# KiCad board Skinny Chameleon.kicad_pcb (continued)
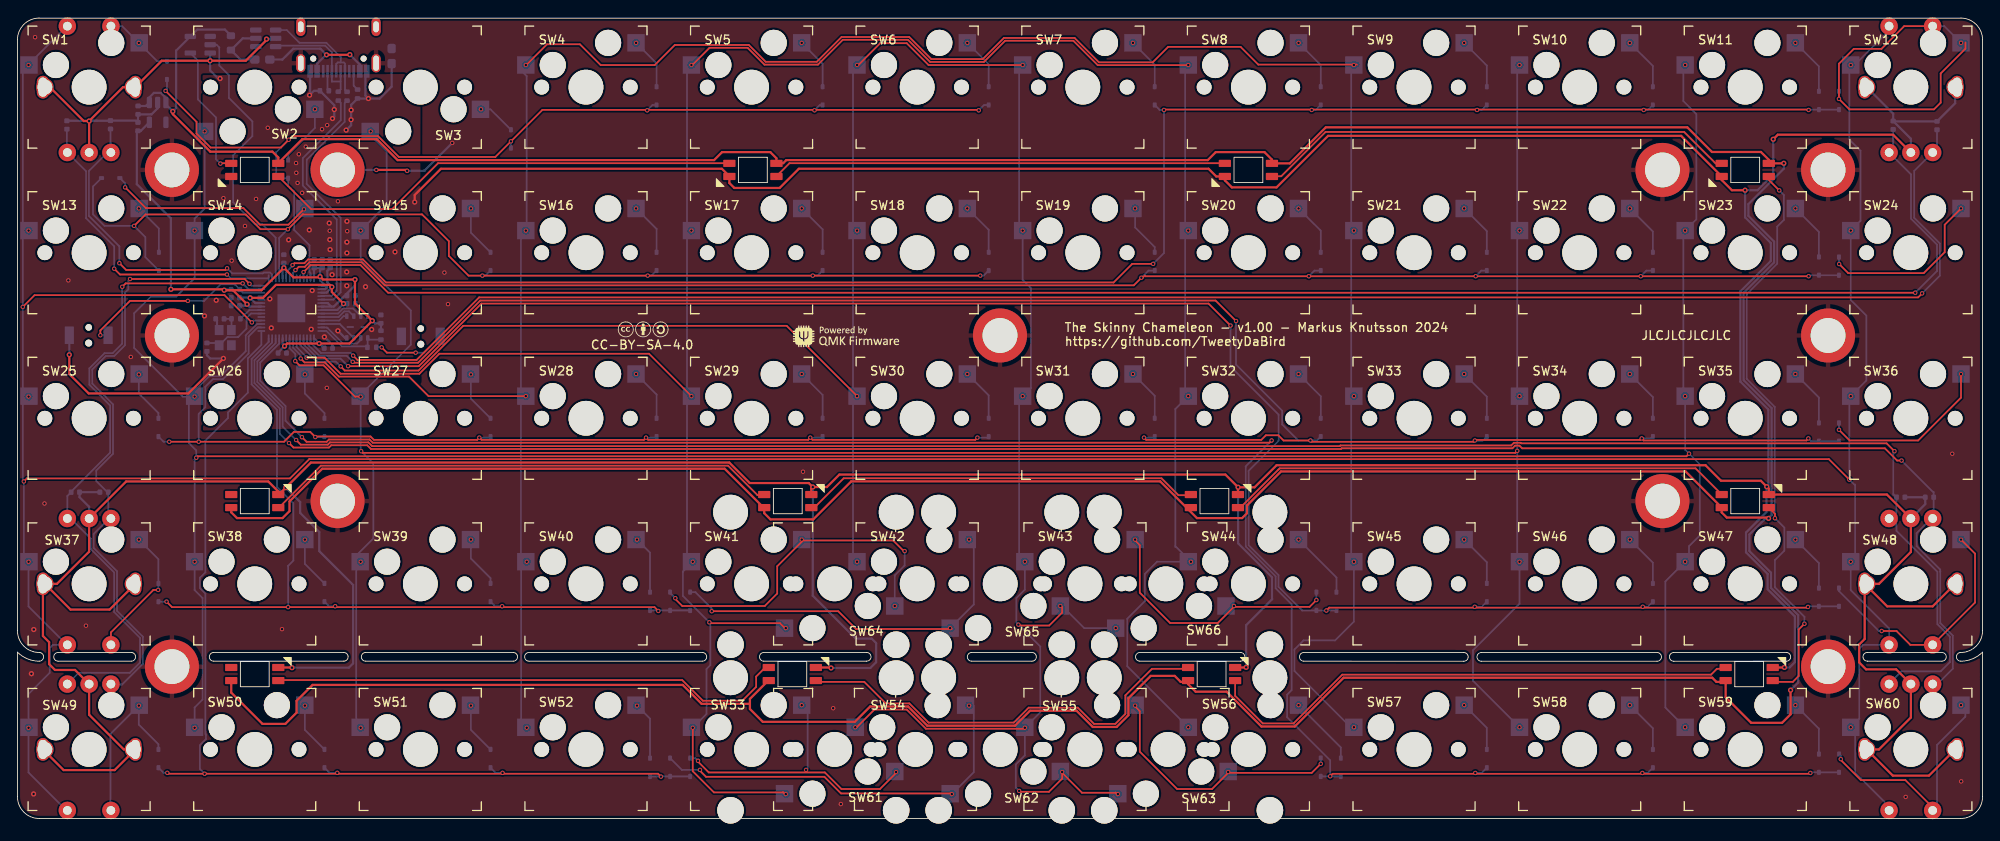
[diagram p0: board, top side]
## Nets (continued)
Net-(D35-A): D35.2 SW35.2
Net-(D36-A): D36.2 SW36.2
Net-(D38-A): D38.2 SW38.2
Net-(D39-A): D39.2 SW39.2
Net-(D40-A): D40.2 SW40.2
Net-(D41-A): D41.2 SW41.2 SW64.1
Net-(D42-A): D42.2 SW42.2 SW65.2
Net-(D43-A): D43.2 SW43.2 SW66.1
Net-(D44-A): D44.2 SW44.2
Net-(D45-A): D45.2 SW45.2
Net-(D46-A): D46.2 SW46.2
Net-(D47-A): D47.2 SW47.2
Net-(D50-A): D50.2 SW50.2
Net-(D51-A): D51.2 SW51.2
Net-(D52-A): D52.2 SW52.2
Net-(D53-A): D53.2 SW53.2 SW61.1
Net-(D54-A): D54.2 SW54.2 SW62.2
Net-(D55-A): D55.2 SW55.2 SW63.1
Net-(D56-A): D56.2 SW56.2
Net-(D57-A): D57.2 SW57.2
Net-(D58-A): D58.2 SW58.2
Net-(D59-A): D59.2 SW59.2
Net-(FB1-Pad1): FB1.1 USB1.A4 USB1.A9 USB1.B4 USB1.B9
Net-(R4-Pad2): R4.2 SW68.2
Net-(RGB1-DIN): RGB1.4 U4.4
Net-(RGB1-DOUT): RGB1.2 RGB2.4
Net-(RGB2-DOUT): RGB2.2 RGB3.4
Net-(RGB3-DOUT): RGB3.2 RGB4.4
Net-(RGB4-DOUT): RGB4.2 RGB5.4 RGB9.4
Net-(RGB5-DOUT): RGB5.2 RGB6.4
Net-(RGB6-DOUT): RGB6.2 RGB7.4
Net-(RGB7-DOUT): RGB7.2 RGB8.4
Net-(RGB10-DIN): RGB9.2 RGB10.4
Net-(RGB10-DOUT): RGB10.2 RGB11.4
Net-(RGB11-DOUT): RGB11.2 RGB12.4
Net-(U2-CLK): U2.6 U3.52
Net-(U2-DI(IO0)): U2.5 U3.53
Net-(U2-DO(IO1)): U2.2 U3.55
Net-(U2-IO2): U2.3 U3.54
Net-(U2-IO3): U2.7 U3.51
Net-(U2-~{CS}): R4.1 R7.2 U2.1 U3.56
Net-(U3-RUN): R3.2 SW67.2 U3.26
Net-(U3-XIN): C14.1 U3.20 Y1.1
Net-(U3-XOUT): R10.1 U3.21
Net-(USB1-CC1): R1.2 USB1.A5
Net-(USB1-CC2): R2.1 USB1.B5

Pads without a net: RGB8 2; RGB12 2; U1 4; U2 9; U3 9 24 25 35 37 38 40; U4 1; U5 4 6; USB1 A8 B8 S2

## Via types
v1: diameter 0.5, hole 0.3, Top to Bottom, 281 vias
v2: diameter 0.6, hole 0.3, Top to Bottom, 67 vias

## Routing (per net, layer and track width the routed paths; a pad name or vN(x,y) marks a point on that pad's centre or on a via; arc(x,y) is an arc through that point)
+1V1: length 22.6
  Top w0.254: v2(37.41,59.08) 36.07,60.42 v2(36.07,61) 35.83,61.24 29.66,61.24 28.16,59.75 v2(26.69,59.75)
  Bottom w0.254: C10.1 v2(37.41,59.08) 36.7,58.36 34.88,58.36 ; U3.23 27.29,59.15 v2(26.69,59.75) 26.67,59.77 C8.1 ; U3.45 35.47,60.35 36.07,60.94 v2(36.07,61) 35.55,61.52 35.55,62.85 C9.1
+3V3: length 89.4
  Top w0.254: v2(26.34,59.01) 24.73,60.62 v2(23.72,60.62) ; v2(17.61,60.73) 23.62,60.73 v2(23.72,60.62) ; v2(23.72,60.62) 27.99,60.62 v2(30.56,63.2) 31.67,62.1 34.62,62.1 v2(34.72,62.19) 35.05,61.85 38.72,61.85 v2(38.73,61.85) 38.73,59.11 v2(40.71,57.12) 38.1,54.51 v2(34.62,54.51) 30.95,54.51 v2(30.64,54.21)
  Bottom w0.254: v2(23.72,60.62) 23.79,60.7 R3.1 ; U3.22 26.61,58.75 v2(26.34,59.01) 26.19,58.85 C6.1 ; C3.1 v2(30.56,63.2) 30.42,63.05 U3.33 ; v2(17.61,60.73) 17.61,68.88 13.7,72.79 13.7,78.79 C12.1 14.16,78.92 U1.5 ; 34.02,63.03 34.18,63.19 C1.1 34.72,62.94 v2(34.72,62.19) 34.72,61.77 35.52,60.97 ; 34.02,63.03 U3.42 ; 34.02,63.03 34.05,63.05 C7.1 ; U2.8 v2(40.71,57.12) 41,56.83 C13.1 41.7,56.82 R7.1 ; U3.44 35.3,60.75 35.52,60.97 ; v2(38.73,61.85) 38.73,61.17 36.3,58.75 U3.49 ; U3.43 35.34,61.15 35.52,60.97 ; 35.14,54 v2(34.62,54.51) U3.1 ; U3.10 30.42,54.43 v2(30.64,54.21) 29.91,53.47 C2.1 ; U3.48 35.59,59.15 36,58.75
+5V: length 686.7
  Top w0.254: 84.03,13.16 78.5,13.16 76.33,15.33 33.86,15.33 32.03,13.5 32.03,12.15 30.73,10.86 28.12,10.86 24.52,14.45 24.52,15.68 ; 84.03,13.16 84.03,12.57 85.51,11.09 96.07,11.09 97.83,12.85 102.18,12.85 104.38,10.65 114.45,10.65 116.17,12.37 121.51,12.37 123.37,10.5 126.1,10.5 127.46,11.86 127.46,13.8 130.02,16.36 132.77,16.36 133.45,15.68 134.3,15.68 134.3,15.42 135.17,14.55 138.73,14.55 142.72,10.56 146.55,10.56 152.14,16.15 194.44,16.15 194.92,15.68 195.98,15.68 195.98,13.91 198.9,10.98 202.45,10.98 203.43,11.96 203.43,14.62 ; 84.03,13.16 84.03,13.73 85.98,15.68 86.2,15.68 ; v2(200.9,34.43) 200.8,34.54 196.11,34.54 195.52,35.12 RGB5.1 191.37,39.83 144.97,39.83 141.06,35.93 141.06,35.04 140.5,34.47 135.32,34.47 131.11,38.69 95.66,38.69 91.3,34.33 86.39,34.33 85.67,35.04 85.67,35.6 81.14,40.14 34.97,40.14 31.22,36.39 31.22,35.28 30.41,34.47 25.19,34.47 24.52,35.14 24.52,35.6 ; v2(202.64,75.19) 202.63,75.18 RGB4.1 200.93,75.59 200.02,76.49 194.41,76.49 191.57,79.32 150.11,79.32 145.96,75.18 RGB3.1 143.93,75.61 143.06,76.47 137.48,76.47 136.56,75.55 88.2,75.55 87.85,75.2 87.08,75.2 87.08,75.77 86.37,76.47 80.84,76.47 79.92,75.55 43.62,75.55 41.22,77.96 32.68,77.96 29.93,75.2 29.93,75.86 29.26,76.52 22.13,76.52 17.83,80.82 v2(17.83,81.15)
  Bottom w0.254: v2(203.43,14.72) 204.3,15.59 204.3,23.34 201.18,26.46 201.18,28.22 198.69,30.7 198.69,32.59 200.54,34.43 v2(200.9,34.43) 200.9,34.46 201.25,34.82 201.25,47.09 198.04,50.3 198.04,60.32 201.54,63.82 201.54,66.19 198.59,69.14 198.59,70.51 202.64,74.57 v2(202.64,75.19) ; C11.1 14.74,81.77 U1.1 15.14,82.75 15.66,83.27 16.45,83.27 17.04,82.68 U1.3 17.04,81.94 v2(17.83,81.15) 18.2,81.53 18.2,88.11 U4.5 20.63,90.54 23.79,90.54 F1.2
GND: length 823.9
  Top w0.254: RGB9.3 202.7,17.33 v2(202.71,17.34) ; ENC1.MP1 3.72,83.93 7.61,80.03 v2(8.23,80.03) ; ENC1.C v2(8.23,80.03) ; v2(8.23,80.03) 12.12,83.93 SW1.3 ; v2(91.25,38.04) 91.08,37.87 91.08,37.1 91.08,37.35 ; v2(91.25,38.04) 92.86,38.04 94.3,39.47 138.59,39.47 v2(140.05,38.01) ; v2(91.25,38.04) 90.78,38.5 84.02,38.5 81.67,40.84 33.67,40.84 v2(30.79,37.96) 29.93,37.1 29.93,37.53 28.77,38.68 12.48,38.68 ENC3.C 8.23,30.62 4.53,26.93 SW37.3 6.09,23.98 10.58,23.98 ENC3.MP1 ; 140.02,37.1 140.02,37.98 v2(140.05,38.01) ; v2(31.5,17.31) 31.48,17.33 RGB12.3 ; v2(5.95,53.22) 5.95,51 8.18,48.78 19.62,48.78 v2(23.64,52.8) ; SW48.3 219.72,24.34 214.51,24.34 ENC4.MP2 211.93,20.6 211.3,19.97 211.3,17.91 212.08,17.12 215.54,17.12 ENC6.C 217.23,11.59 213.56,7.93 SW60.3 215.16,4.92 219.3,4.92 SW60.3 ; SW48.3 213.56,26.93 217.23,30.59 ENC4.C 214.48,37.18 RGB5.3 200.93,37.84 v2(200.69,38.08) 200.01,38.76 195.44,38.76 193.67,40.54 144.45,40.54 141.93,38.01 v2(140.05,38.01) ; ENC5.MP2 5.3,5.55 11.15,5.55 ENC5.MP1 12.2,7.93 8.23,11.91 ENC5.C 6.61,17.05 4.3,17.05 3.64,17.72 3.64,20.24 2.93,20.95 ENC3.MP2 ; v2(198.2,72.1) 196.69,72.1 195.52,73.27 RGB4.3 190.87,78.34 150.37,78.34 144.45,72.43 139.32,72.43 138.52,73.23 RGB3.3 137.54,73.68 136.66,74.56 89.64,74.56 87.45,72.36 82.25,72.36 81.67,72.93 81.67,73.7 80.82,74.56 48.59,74.56 45.58,71.55 v2(45.58,70.74) ; v2(93.34,17.28) 93.3,17.33 RGB11.3 ; RGB10.3 140.94,17.33 v2(140.96,17.35) ; ENC2.C 215.19,78.47 201.95,78.47 v2(201.44,77.95) ; 24.51,73.69 24.52,73.7 ; ENC1.MP2 16.55,86.96 v2(22.11,86.96) 26.2,86.96 28.58,89.34 v2(28.58,89.44)
  Bottom w0.254: v2(23.64,52.8) 23.62,52.79 22.12,52.79 21.73,53.17 C14.2 ; 40.08,85.5 39.92,85.35 39.92,82.96 v2(40.27,82.62) ; v2(36.14,80.33) 36.35,80.53 v2(36.35,81.35) 36.35,81.86 R1.1 34.02,83.51 v2(33.52,83.01) 33.58,83.07 USB1.A1 ; U1.2 16.09,81.5 15.39,80.81 C11.2 13.84,79.89 C12.2 13.62,80.09 C17.1 10.66,80.07 9.11,80.07 ; C18.2 215.19,80.88 SW12.3 ; C18.2 215.24,80 C19.1 222.31,82.08 SW12.3 ; C18.2 217.23,78.01 ENC2.C ; ENC4.C 218.88,36.08 C22.2 C23.1 ; v2(37.72,79) 38.28,79.56 v2(38.28,80.19) 38.28,81.29 v2(38.28,81.3) 38.28,81.89 R2.2 39.03,82.62 v2(40.27,82.62) ; 9.11,80.07 C16.2 ; 9.11,80.07 8.26,80.07 v2(8.23,80.03) ; v2(93.34,17.28) 97.86,17.28 98.52,17.94 98.52,20.13 98.01,20.64 96.17,20.64 91.25,25.57 v2(91.25,38.04) ; v2(28.58,89.44) 29.75,89.44 29.84,89.53 ; SW67.1 v2(5.95,53.22) ; v2(202.71,17.34) 203.31,17.34 203.91,17.93 203.91,23.18 200.79,26.3 200.79,28.06 198.31,30.54 198.31,32.81 200.66,35.15 200.66,38.04 v2(200.69,38.08) 200.87,38.25 200.87,46.93 197.66,50.14 197.66,60.48 201.16,63.98 201.16,66.04 198.2,68.99 v2(198.2,72.1) 199.63,72.1 201.44,73.9 v2(201.44,77.95) ; v2(40.27,82.62) 41.57,82.62 42.94,83.98 FB2.2 ; U2.4 37.59,55.15 v2(36.77,55.97) ; U4.3 22.11,86.96 v2(22.11,86.96) 22.11,85.85 23.04,84.92 v2(23.25,84.92) ; C20.2 C21.1 7.12,36.87 8.23,35.77 ENC3.C ; v2(31.5,17.31) 38.03,17.31 38.51,17.79 38.51,26.8 34.62,30.69 34.62,32.88 32.44,35.07 32.44,36.32 v2(30.79,37.96) ; v2(140.05,38.01) 140.05,31.57 143.94,27.69 143.94,25.16 140.96,22.19 v2(140.96,17.35) ; Y1.2 22.9,56.3 22.9,57.19 C15.2 ; v2(35.22,55.27) 36.16,54.33 C4.2
  vias: v1(23.64,71.19) v1(24.58,64.02) v1(26.11,67.99) v1(27.38,71.1) v1(28.72,79.26) v1(31.97,75.22) v1(32,74.1) v1(32.14,72.94) v1(32.28,76.23) v1(32.67,71.8) v1(33.08,77.1) v1(34.95,79.1) v1(35.53,79.57) v1(35.5,49.42) v1(35.83,67.45) v1(36.77,70.83) v1(37.84,67.4) v2(21.45,57.68) v2(22.8,59.47) v2(28.95,59.63) v2(29.12,56.3) v2(31.11,66.41) v2(33.48,67.54) v2(33.7,56.14) v2(33.81,60.59) v2(35.78,68.33) v2(35.84,66.43) v2(35.86,65.29) v2(36.1,62.4) v2(37.78,62.72) v2(37.78,61.14) v2(37.81,68.53) v2(37.8,66.14) v2(37.8,64.9) v2(39.94,61.03) v2(40.64,56.12) v2(43.31,65.02)
VBUS: length 6.4
  Bottom w0.254: FB1.2 25.58,87.1 F1.1 25.84,89.53 27.14,89.53
/DN: length 27.4
  Bottom w0.2: R6.1 37.09,82.11 37.09,80.14 32.74,75.78 32.74,72.63 36.63,68.74 36.63,60.57 36.03,59.97 34.89,59.97 U3.46
/DP: length 28.1
  Bottom w0.2: R5.1 37.55,82.11 37.55,79.95 33.19,75.6 33.19,72.82 37.08,68.93 37.08,60.38 36.24,59.55 U3.47
Col_0: length 443.6
  Top w0.2: v1(210.17,38.89) 207.81,41.24 33.48,41.24 31.27,39.03 1.09,39.03 v1(0.73,38.68) ; v1(0.62,58.71) 1.97,60.06 23.76,60.06 26.89,56.93 v1(26.9,56.93)
  Bottom w0.2: 210.83,38.22 v1(210.17,38.89) 210.17,48.3 v1(210.33,48.47) 212.12,50.25 212.12,57.71 210.33,59.49 v1(210.33,67.47) 211.44,68.58 211.44,76.64 210.17,77.92 210.17,85.86 ; v1(26.9,56.93) 27.12,57.15 U3.18 ; 215.23,90.93 210.76,86.47 v1(210.33,86.47) 210.33,85.97 210.17,85.81 ; 215.23,0.88 210.82,5.28 210.82,10.42 ; 0.73,29.91 v1(0.73,38.68) 0.62,38.8 0.62,47.75 v1(1.28,48.42) 0.62,49.08 v1(0.62,58.71) 0.62,66.8 v1(1.28,67.47) 0.62,68.13 0.62,85.85 ; v1(210.33,10.47) 211.31,11.44 211.31,19.48 211.75,19.93 ENC4.S1 214.73,21.81 210.33,26.21 v1(210.33,29.47) 210.83,29.96 210.83,38.32 ; 5.68,0.88 1.27,5.28 v1(1.27,10.42) 1.27,14.28 3.7,16.72 3.7,19.57 4.07,19.93 5.68,19.93 1.28,24.32 v1(1.28,29.47) 0.73,30.01 ; 0.62,85.8 v1(1.28,86.47) 1.28,86.53 5.68,90.93
Col_1: length 344.1
  Top w0.2: v1(191.77,41.87) 191.48,41.57 20.69,41.57 v1(20.52,41.4)
  Bottom w0.2: v1(20.33,29.47) 20.33,41.21 v1(20.52,41.4) 20.52,42.24 19.66,43.09 19.66,47.76 v1(20.32,48.42) ; v1(20.33,29.46) 20.33,26.22 21.24,25.3 21.24,13.65 20.33,12.74 v1(20.33,10.42) ; v1(20.33,29.47) 19.66,30.13 ; U3.17 27.49,56.75 26.19,55.44 26.19,53.63 23.31,50.75 22,50.75 20.32,49.07 v1(20.32,48.42) ; v1(191.33,29.47) 189.06,27.19 189.06,12.73 v1(191.32,10.47) ; v1(20.32,48.42) 18.98,48.42 13.39,54.01 13.39,57.98 15.3,59.9 18.2,59.9 20.33,62.02 v1(20.33,67.47) 20.33,68.84 21.47,69.98 v1(21.47,78.85) ; 191.77,29.37 191.77,31.24 193,32.48 193,40.63 v1(191.77,41.87) 191.32,42.31 v1(191.32,48.47) 191.12,48.67 191.12,67.26 v1(191.32,67.47) 192.62,68.76 192.62,80.84 191.12,82.34 191.12,86.52
  vias: v1(191.33,86.47)
Col_2: length 303.8
  Top w0.2: v1(31.88,52.49) 32.36,52.01 35.12,52.01 38.72,48.42 v1(39.38,48.42) ; v1(39.43,42.15) 39.63,41.95 171.83,41.95 v1(172.06,42.19)
  Bottom w0.2: 172.06,30.03 v1(172.06,42.19) 172.06,48.21 v1(172.32,48.47) 172.06,48.72 172.06,67.21 v1(172.32,67.47) 172.06,67.72 172.06,85.86 ; 39.98,78.9 42.36,76.53 42.36,70.45 v1(39.37,67.47) 39.37,64.06 45.12,58.31 45.12,54.37 39.38,48.62 v1(39.38,48.42) 39.38,42.2 v1(39.43,42.15) 40.83,40.75 40.83,32.13 38.72,30.02 ; v1(39.37,10.42) 38.86,10.92 38.86,28.96 v1(39.37,29.47) 38.72,30.12 ; 172.06,85.81 172.33,86.07 v1(172.33,86.47) ; 172.06,30.13 172.32,29.87 v1(172.32,29.47) 172.32,24.64 166.99,19.31 166.99,15.8 v1(172.32,10.47) ; U3.8 31.22,53.97 31.88,53.32 v1(31.88,52.49)
  vias: v1(40.53,78.85)
Col_3: length 298.3
  Top w0.2: 58.43,86.52 60.76,88.85 64.53,88.85 66.92,86.46 73.11,86.46 75.42,88.77 83.91,88.77 85.84,86.84 91.7,86.84 94.55,89.68 102.31,89.68 104.85,87.15 110.74,87.15 113.17,89.58 121.27,89.58 124.08,86.78 130.25,86.78 132.01,88.55 140.32,88.55 142.36,86.52 153.67,86.52 ; v1(32.5,52.79) 32.95,52.33 35.26,52.33 36.88,50.71 44.92,50.71 47.16,48.47 v1(58.32,48.47)
  Bottom w0.2: 57.77,85.85 58.43,85.19 58.43,67.57 v1(58.32,67.47) 57.77,66.91 57.77,49.02 v1(58.32,48.47) 57.77,47.91 57.77,30.02 ; 153.01,10.42 146.5,16.93 146.5,19.4 147.55,20.44 151.17,20.44 153.32,22.59 v1(153.32,29.47) 153.32,29.82 153.01,30.12 ; U3.7 31.62,54.03 32.5,53.16 v1(32.5,52.79) ; 57.78,10.44 57.78,28.83 v1(58.42,29.47) 57.77,30.12 ; 153.01,30.02 153.01,48.15 v1(153.33,48.47) 153.01,48.78 153.01,67.15 v1(153.33,67.47) 153.01,67.78 153.01,85.86 ; v1(58.32,86.46) 58.32,86.36 57.77,85.8 ; 153.01,85.81 153.67,86.47 v1(153.32,86.47)
  vias: v1(58.43,10.42) v1(153.32,10.47)
Col_4: length 305.2
  Top w0.2: 88.15,21.75 87.49,22.41 79.38,22.41 ; v1(33.17,52.89) 35.23,52.89 37.07,51.04 46.11,51.04 48.41,53.33 72.46,53.33 v1(77.32,48.47) ; 77.48,10.32 77.48,5.42 79.91,3 87.85,3 88.15,2.7 ; v1(134.33,86.47) 134.31,86.45 123.94,86.45 121.14,89.25 113.31,89.25 110.88,86.82 104.71,86.82 102.17,89.36 94.69,89.36 91.84,86.51 85.7,86.51 83.77,88.44 79.4,88.44 77.47,86.52
  Bottom w0.2: v1(77.48,10.42) 79.06,11.99 79.06,17.16 79.5,17.6 79.5,22.4 v1(79.38,22.51) 76.35,25.54 76.35,28.34 v1(77.48,29.47) 76.81,30.13 ; 132.83,31.25 v1(134.62,29.47) 130.75,29.47 129.35,28.07 129.35,24.94 127.33,22.92 127.33,17.46 v1(134.32,10.47) ; 133.96,86.52 133.96,67.82 v1(134.32,67.47) 133.96,67.11 133.96,48.82 v1(134.32,48.47) 132.83,46.98 132.83,31.15 ; 76.81,86.52 76.81,67.98 v1(77.33,67.47) 76.81,66.95 76.81,48.97 v1(77.32,48.47) 76.81,47.96 76.81,30.03 ; v1(33.17,52.89) 33.17,52.94 32.02,54.09 U3.6
  vias: v1(77.33,86.46) v1(88.15,21.85) v1(88.15,2.8)
Col_5: length 286.8
  Top w0.2: 126.25,2.7 125.99,2.96 122.13,2.96 119.85,5.24 119.85,4.57 118.34,3.07 114.92,3.07 ; v1(96.33,48.47) 88.26,56.54 51.14,56.54 46.02,51.41 37.56,51.41 v1(37.09,51.88) ; 119.85,24.29 119.85,23.62 118.37,22.15 114.83,22.15 ; v1(115.32,86.47) 115.31,86.46 104.54,86.46 102.02,88.97 98.98,88.97 96.53,86.52 ; 115.57,10.32 115.56,10.3 104.23,10.3 102.03,12.5 98.31,12.5 96.27,10.47 v1(96.12,10.47)
  Bottom w0.2: v1(114.92,3.17) 114.54,3.55 114.54,6.2 115.57,7.23 v1(115.57,10.42) 117.35,12.19 117.35,19.74 v1(114.83,22.25) 114.61,22.48 114.61,25.3 115.57,26.26 v1(115.57,29.47) 114.92,30.12 ; 95.86,30.13 96.33,29.66 v1(96.33,29.47) ; U3.5 32.42,54.36 34.35,52.43 36.53,52.43 v1(37.09,51.88) ; 114.92,86.52 114.92,67.87 v1(115.32,67.47) 115.32,61.8 116.27,60.85 116.27,49.41 v1(115.33,48.47) 114.92,48.05 114.92,30.02 ; 95.86,85.8 96.33,86.26 v1(96.33,86.46) ; 95.86,85.85 95.86,67.92 v1(96.32,67.47) 95.86,67.01 95.86,48.93 v1(96.33,48.47) 95.86,48 95.86,30.03 ; 119.85,24.39 122.39,21.85 126.25,21.85
  vias: v1(119.65,24.39) v1(119.85,5.34) v1(126,21.85) v1(126.25,2.8)
D+: length 14.7
  Bottom w0.2: R5.2 37.58,83.64 37.58,86.63 37.45,86.76 36.75,86.76 36.58,86.59 36.58,85.5 ; 37.09,86.76 37.09,87.36 35.44,89.02 32.35,89.02 30.89,90.48 29.84,90.48
D-: length 13.2
  Bottom w0.2: 37.08,85.5 37.08,84.58 ; 37.08,84.58 37.08,83.67 R6.2 ; 37.08,84.58 36.08,84.58 36.08,84.58 36.08,87.91 35.3,88.69 29.95,88.69 29.84,88.58
Earth_Protective: length 14.8
  Top w0.254: v1(41.17,74.43) 44.6,74.43 v1(44.7,74.33)
  Bottom w0.254: v1(49.89,77.53) 46.69,74.33 v1(44.7,74.33) ; 41.36,86.63 41.14,86.42 ; H14.1 v1(41.17,74.43)
  vias: v1(2.02,89.66) v1(3.11,36.15) v1(5.84,61.75) v1(7.87,22.13) v1(13.01,52.97) v1(30.36,21.73) v1(48.98,62.65) v1(49.4,59.02) v1(90.12,39.8) v1(93.59,12.66) v1(94.46,1.66) v1(216.62,2.48) v1(221.97,41.86) v1(223,4.26) v2(1.61,16.62) v2(1.88,21.69) v2(1.86,2.82)
ENC1: length 8.1
  Bottom w0.2: 10.68,90.93 12,90.93 v1(13.92,89.01) 16.03,86.9 D1.2
ENC1_A: length 36.4
  Top w0.2: v1(11.1,63.09) 11.77,62.42 v1(24.03,62.42)
  Bottom w0.2: C16.1 5.68,76.48 ENC1.A 7.88,74.28 7.88,68.89 11.1,65.66 v1(11.1,63.09) ; v1(24.03,62.42) 24.48,61.98 U3.29
ENC1_B: length 36.6
  Top w0.2: v1(24.05,63.14) 23.87,62.95 12.48,62.95 v1(11.7,63.73)
  Bottom w0.2: C17.2 10.68,76.79 8.2,74.31 8.2,69.15 11.7,65.66 v1(11.7,63.73) ; v1(24.05,63.14) 24.64,62.56 28.16,62.56 28.25,62.65 28.99,62.65 29.22,62.41 U3.30
ENC2: length 41.6
  Top w0.2: 223.47,89.06 223.47,88.32 220.64,85.5 220.64,82.15 219.88,81.38 210.17,81.38 v1(208.97,82.58) 208.97,86.61 210.68,88.32 213.85,88.32 216.46,90.93 ENC2.S1
  Bottom w0.2: 220.23,90.93 221.05,90.93 v1(222.97,89.01) ; D12.2 v1(208.98,82.58)
ENC2_A: length 211.6
  Top w0.2: v1(32.82,62.7) 33.63,63.51 39.36,63.51 42.53,60.34 v1(217.73,60.34)
  Bottom w0.2: C18.1 215.19,76.46 ; 215.19,78.55 215.19,76.9 ENC2.A 217.25,73.91 217.25,68.83 220.23,65.85 220.23,62.84 v1(217.73,60.34) ; U3.39 v1(32.82,62.7)
ENC2_B: length 211.3
  Top w0.2: v1(218.51,60.26) 218.06,59.8 52.97,59.8 45.8,52.63 39,52.63 v1(38.52,53.12)
  Bottom w0.2: v1(218.51,60.26) 220.55,62.29 220.55,65.98 217.61,68.93 217.61,74.31 220.23,76.93 C19.2 ; U3.2 33.62,54.62 34.81,53.43 38.2,53.43 v1(38.52,53.12)
ENC3: length 15.6
  Top w0.2: ENC3.S2 10.73,21.35 15.6,26.23 v1(16.15,26.23)
  Bottom w0.2: v1(13.93,32.01) 16.18,29.76 16.18,26.26 v1(16.15,26.23)
ENC3_A: length 72.4
  Top w0.2: v1(26.62,61.36) 26.08,61.91 v1(12.91,61.91)
  Bottom w0.2: v1(26.62,61.36) 26.84,61.15 U3.28 ; v1(12.91,61.91) 12.73,61.72 12.73,60.73 12.34,60.34 12.34,54.31 11.11,53.08 10.14,53.08 8.59,51.53 8.59,49.91 10.96,47.53 10.96,41.85 9.05,39.93 9.05,38.73 10.43,37.35 ; 10.68,15.38 12.01,15.38 14.39,17.76 14.39,20.86 11.42,23.83 11.42,28.37 8.75,31.04 8.75,32.66 10.52,34.43 ENC3.A 10.43,34.73 C20.1
ENC3_B: length 77.8
  Top w0.2: v1(12.02,61.02) 12.41,61.41 v1(25.84,61.41)
  Bottom w0.2: v1(25.84,61.41) 26.5,60.75 U3.27 ; 5.68,15.38 7.02,16.72 12.89,16.72 14.07,17.9 14.07,20.72 11.09,23.69 11.09,28.24 8.43,30.91 8.43,32.12 6.12,34.43 ENC3.B 5.73,37.01 C21.2 6.16,37.52 10.64,41.99 10.64,47.39 8.26,49.77 8.26,51.66 10,53.4 10.93,53.4 12.01,54.48 12.01,61 v1(12.02,61.02)
ENC4: length 28.4
  Top w0.2: v1(222.97,32.01) 224.59,30.39 224.59,24.79 ENC4.S2 217.17,19.93 215.57,21.52 v1(213.88,21.52)
  Bottom w0.2: v1(213.88,21.52) 213.56,21.52 208.98,26.1 D48.2
ENC4_A: length 231.6
  Top w0.2: v1(216.15,41.07) 215.65,41.07 214.24,42.48 172.62,42.48 172.31,42.79 171.82,42.79 171.51,42.48 151.92,42.48 151.84,42.4 40.56,42.4 40.13,42.83 36,42.83 35.74,42.57 31.67,42.57 v1(31.16,43.09)
  Bottom w0.2: 219.83,37.49 C22.1 219.83,34.32 ; 219.83,37.39 v1(216.15,41.07) ; v1(31.16,43.09) 30.1,44.14 30.1,47.05 27.19,49.96 27.19,52.59 29.22,54.62 U3.13 ; ENC4.A 219.57,34.43 217.88,32.74 217.88,31.27 220.6,28.56 220.6,22.43 222.03,20.99 222.03,17.18 220.23,15.38
ENC4_B: length 233.8
  Top w0.2: v1(31.98,43.43) 32.51,42.9 35.61,42.9 35.87,43.16 40.26,43.16 40.7,42.73 151.71,42.73 151.79,42.81 171.38,42.81 171.68,43.11 172.45,43.11 172.51,43.05 214.44,43.05 v1(215.34,42.14)
  Bottom w0.2: 215.2,37.13 215.2,42.01 v1(215.34,42.14) ; v1(31.98,43.43) 30.43,44.98 30.43,47.18 27.52,50.09 27.52,52.45 29.62,54.55 U3.12 ; 215.2,37.23 C23.2 215.57,33.01 220.27,28.31 220.27,22.29 221.7,20.86 221.7,17.95 220.65,16.89 216.15,16.89 215.23,15.96 215.23,15.38
ENC5: length 19.4
  Bottom w0.2: 10.68,0.88 10.68,9.71 v1(13.93,12.96) 13.92,10.78 16.18,8.53 D49.2
ENC6: length 27.6
  Top w0.2: 209.19,6.72 211.5,4.41 216.6,4.41 220.23,0.78
  Bottom w0.2: 223.48,12.96 223.48,11.69 220.23,8.44 220.23,0.88 ; D60.2 209.19,7.2 v1(209.19,6.82)
  vias: v1(222.97,13.01)
RGB: length 32.7
  Bottom w0.2: U4.2 22.84,88.8 23.16,88.49 23.16,86.41 24.27,85.3 24.27,82.68 26.95,79.99 26.95,78.31 24.75,76.1 24.75,70.72 27.28,68.19 28.09,68.19 29.62,66.65 U3.31
Row_0: length 125.2
  Top w0.2: v1(17,83.5) 20.55,79.95 20.55,78.61 22.16,77 30.23,77 v1(31.11,77.89) 31.54,78.31 41.36,78.31 43.76,75.92 54.83,75.92 60.23,81.32 110.29,81.32
  Bottom w0.2: D6.1 110.89,81.88 v1(110.29,81.27) ; U3.41 33.62,62.58 33.51,62.69 33.51,63.5 33.51,63.5 33.51,65.77 31.75,67.53 31.75,71.93 31.06,72.63 D2.1 30.22,73.47 29.69,74 29.69,76.46 v1(31.11,77.89) ; D5.1 92.06,81.88 v1(91.45,81.27) ; D4.1 72.86,81.88 v1(72.25,81.27) ; v1(17,83.5) 17.16,83.66 D1.1 ; D3.1 v1(56.61,77.71)
Row_1: length 203.7
  Top w0.2: 205.5,81.36 131.54,81.36 ; v1(130.3,63.65) 127.89,63.65 125.76,61.51 42.27,61.51 39.63,64.16 33.36,64.16 32.92,63.72 31.78,63.72 v1(31.56,63.51)
  Bottom w0.2: v1(186.57,81.31) 187.06,81.31 D10.1 ; D12.1 205.54,81.35 v1(205.5,81.31) ; 131.54,81.36 131.54,64.89 v1(130.3,63.65) ; D7.1 131.05,81.31 v1(131.54,81.31) ; D8.1 148.95,81.31 v1(148.49,81.31) ; v1(31.56,63.51) 31.56,63.43 30.82,62.68 U3.34 ; D9.1 168,81.31 v1(167.45,81.31)
Row_2: length 130.1
  Top w0.2: v1(13.39,68.01) 14.7,69.32 26.2,69.32 27.89,67.62 v1(31.03,67.62) 31.04,67.62 32.74,69.33 46.42,69.33 49.5,66.25 49.5,64.56 51.75,62.3 v1(53.34,62.3) v1(72.31,62.3) v1(91.25,62.3) v1(110.46,62.3)
  Bottom w0.2: D13.1 14.68,64.43 14.68,66.72 v1(13.39,68.01) 9.98,68.01 8.68,69.32 8.68,72.52 D14.1 ; v1(110.46,62.3) 110.85,62.3 D18.1 ; v1(72.31,62.3) 72.75,62.3 D16.1 ; v1(53.34,62.3) 53.7,62.3 D15.1 ; D17.1 91.8,62.3 v1(91.25,62.3) ; v1(31.03,67.62) 30.02,66.62 U3.32
Row_3: length 186.9
  Top w0.2: v1(31.9,62.93) 32.27,63.31 32.97,63.31 33.49,63.83 39.49,63.83 42.14,61.19 128.07,61.19 v1(128.94,62.06) 129.07,62.06 129.32,62.31 129.41,62.23 v1(148.16,62.23) v1(167.3,62.23) v1(186.24,62.23) v1(205.5,62.23)
  Bottom w0.2: v1(167.3,62.23) 167.94,62.88 D21.1 ; D20.1 148.81,62.88 v1(148.16,62.23) ; D24.1 205.61,62.34 v1(205.5,62.23) ; D19.1 129.76,62.88 v1(128.94,62.06) ; D22.1 186.88,62.88 v1(186.24,62.23) ; v1(31.9,62.93) 31.62,62.65 U3.36
Row_4: length 119.3
  Top w0.2: v1(17.41,43.24) v1(20.8,43.24) 30.59,43.24 31.71,44.36 33.59,44.36 v1(34.17,43.78) 34.23,43.84 40.51,43.84 40.9,43.45 52.74,43.45 v1(53,43.7) 53.25,43.45 71.86,43.45 v1(72.11,43.7) 72.37,43.45 90.71,43.45 v1(90.97,43.7) 91.22,43.45 109.88,43.45 v1(110.14,43.7)
  Bottom w0.2: D26.1 35.17,43.78 v1(34.17,43.78) ; v1(90.97,43.7) 92.25,43.7 D29.1 ; v1(110.14,43.7) 111.3,43.7 D30.1 ; v1(72.11,43.7) 73.2,43.7 D28.1 ; D25.1 16.77,43.24 v1(17.41,43.24) ; U3.16 27.55,56.35 26.52,55.31 26.52,53.35 23.59,50.42 22.43,50.42 21.55,49.54 21.55,47.19 20.8,46.43 v1(20.8,43.24) ; v1(53,43.7) 54.15,43.7 D27.1
Row_5: length 216.5
  Top w0.2: v1(205.46,43.61) 205.23,43.38 186.58,43.38 v1(186.35,43.61) 186.17,43.44 167.27,43.44 v1(167.2,43.38) 167.05,43.23 148.5,43.23 v1(148.35,43.38) 145.25,43.38 144.65,43.98 143.23,43.98 142.7,43.45 129.5,43.45 v1(129.25,43.7) ; v1(139.81,57.09) 137.45,59.44 53.09,59.44 45.96,52.3 38.57,52.3 v1(38.47,52.41)
  Bottom w0.2: D33.1 168.13,43.38 v1(167.2,43.38) ; D32.1 149.08,43.38 v1(148.35,43.38) 146.94,43.38 145.1,45.23 145.1,46.8 139.81,52.09 v1(139.81,57.09) ; v1(38.47,52.41) 37.77,53.1 34.61,53.1 33.22,54.49 U3.3 ; v1(205.46,43.61) 205.78,43.3 D36.1 ; v1(129.25,43.7) 130.35,43.7 D31.1 ; D34.1 187.41,43.61 v1(186.35,43.61)
Row_6: length 99.3
  Top w0.2: v1(73.53,23.82) 73.09,24.26 v1(31.06,24.26) 17.73,24.26 v1(17.11,24.89)
  Bottom w0.2: v1(17.11,24.89) 17.09,24.88 D37.1 ; D39.1 54.8,24.36 v1(55.61,24.36) ; U3.14 28.82,54.68 26.86,52.72 26.86,49.82 29.77,46.91 29.77,38.06 31.66,36.18 31.66,29.6 31.06,29 v1(31.06,24.26) ; v1(36.45,24.36) 35.75,24.36 D38.1 ; D42.1 73.59,23.88 v1(73.53,23.82) 73.47,23.88 D40.1
Row_7: length 217
  Top w0.2: 205.39,24.2 150.5,24.2 v1(150.17,23.87) ; v1(139.17,56.57) 136.65,59.09 53.23,59.09 46.05,51.91 v1(37.94,51.91)
  Bottom w0.2: v1(167.19,24.3) 168,24.3 D45.1 ; D48.1 205.48,24.34 v1(205.42,24.28) ; v1(139.17,56.57) 139.17,51.87 144.68,46.36 144.68,43.34 141.25,39.9 141.25,31.36 144.68,27.93 144.68,26.59 147.39,23.87 v1(150.17,23.87) 150.18,23.88 D44.1 ; v1(37.94,51.91) 37.07,52.77 34.47,52.77 32.82,54.42 U3.4 ; D46.1 187.05,24.3 v1(186.46,24.3)
Row_8: length 120.5
  Top w0.2: 17.2,5.14 v1(21.48,5.14) 73.5,5.14 v1(73.83,4.81)
  Bottom w0.2: v1(17.2,5.24) 16.77,5.24 D49.1 ; D52.1 73.81,4.83 v1(73.83,4.81) 73.84,4.83 D54.1 D53.1 ; v1(36.7,5.24) 35.81,5.24 D50.1 ; D51.1 54.86,5.24 v1(55.66,5.24) ; U3.15 27.98,54.36 26.44,52.81 26.44,48.87 24.16,46.59 24.16,45.96 21.57,43.37 21.57,28.25 20.94,27.62 20.94,26.44 21.57,25.81 21.57,9.7 21.62,9.64 21.62,9.1 20.94,8.41 20.94,5.68 v1(21.48,5.14)
Row_9: length 234.1
  Top w0.2: v1(150.61,4.84) 150.88,5.12 205.69,5.12 ; v1(143.88,43.38) 143.63,43.12 40.76,43.12 40.4,43.49 35.73,43.49 35.47,43.22 33.17,43.22 v1(32.64,43.76)
  Bottom w0.2: v1(32.64,43.76) 30.76,45.64 30.76,47.32 27.84,50.23 27.84,52.32 30.02,54.49 U3.11 ; D56.1 150.62,4.83 v1(150.61,4.84) ; D60.1 D59.1 205.76,5.3 v1(205.69,5.23) ; D55.1 150.58,4.83 v1(150.61,4.84) ; v1(143.88,43.38) 140.92,40.41 140.92,31.22 144.35,27.79 144.35,26.42 146.18,24.59 146.18,14.72 145.67,14.21 145.67,11.62 150.61,6.68 v1(150.61,4.84) ; D58.1 187.02,5.23 v1(186.43,5.23) ; v1(167.25,5.23) 167.98,5.23 D57.1
Net-(C15-Pad1): length 2.2
  Bottom w0.2: C15.1 24.55,57.34 R10.2 24.55,56.06 Y1.3
Net-(D2-A): length 7.1
  Bottom w0.2: D2.2 31.06,76.17 34.13,79.24 v1(34.13,81.39)
Net-(D3-A): length 4.4
  Bottom w0.2: D3.2 54.27,81.39 v1(53.17,81.39)
Net-(D4-A): length 6
  Bottom w0.2: v1(70.98,89.01) 73.33,86.66 D4.2
Net-(D5-A): length 6
  Bottom w0.2: v1(89.98,89) 92.38,86.61 D5.2
Net-(D6-A): length 6
  Bottom w0.2: v1(108.97,89.01) 111.42,86.55 D6.2
Net-(D7-A): length 6.1
  Bottom w0.2: D7.2 130.48,86.5 v1(127.97,89.01)
Net-(D8-A): length 6.1
  Bottom w0.2: D8.2 149.52,86.46 v1(146.98,89.01)
Net-(D9-A): length 6.1
  Bottom w0.2: v1(165.98,89.01) 168.57,86.41 D9.2
Net-(D10-A): length 6.1
  Bottom w0.2: v1(184.98,89.01) 187.62,86.36 D10.2
Net-(D11-A): length 6.7
  Bottom w0.2: D11.2 206.68,86.3 v1(203.97,89.01)
Net-(D13-A): length 6
  Bottom w0.2: v1(13.93,70.01) 16.23,67.71 D13.2
Net-(D14-A): length 24.3
  Top w0.2: v1(12.36,72.43) 14.73,70.05 25.93,70.05 27.83,68.14 31.09,68.14 32.85,69.9 v1(32.87,69.9)
  Bottom w0.2: v1(12.36,72.43) 12.36,72.89 D14.2
Net-(D15-A): length 6
  Bottom w0.2: D15.2 52.03,67.22 v1(52.03,70.01)
Net-(D16-A): length 6
  Bottom w0.2: v1(70.98,70.01) 73.33,67.66 D16.2
Net-(D17-A): length 6
  Bottom w0.2: D17.2 92.38,67.61 v1(89.98,70.01)
Net-(D18-A): length 6
  Bottom w0.2: D18.2 111.42,67.56 v1(108.97,70.01)
Net-(D19-A): length 6
  Bottom w0.2: D19.2 130.48,65.58 128.22,67.83 v1(128.22,70.01)
Net-(D20-A): length 6.1
  Bottom w0.2: v1(146.97,70.01) 149.52,67.45 D20.2
Net-(D21-A): length 6.1
  Bottom w0.2: D21.2 168.57,67.4 v1(165.97,70.01)
Net-(D22-A): length 6.1
  Bottom w0.2: v1(184.98,70.01) 187.62,67.36 D22.2
Net-(D23-A): length 6.7
  Bottom w0.2: D23.2 206.68,67.31 v1(203.98,70.01)
Net-(D24-A): length 20.1
  Top w0.2: v1(209,63.63) 210.04,62.58 218.7,62.58 221.1,64.99 221.1,68.13 v1(222.98,70.01)
  Bottom w0.2: v1(209,63.63) 208.98,63.65 D24.2
Net-(D25-A): length 6
  Bottom w0.2: D25.2 16.18,46.53 13.93,48.77 v1(13.93,50.96)
Net-(D26-A): length 6
  Bottom w0.2: v1(32.98,50.96) 32.98,48.77 35.23,46.53 D26.2
Net-(D27-A): length 6
  Bottom w0.2: v1(52.03,50.96) 52.03,48.17 D27.2
Net-(D28-A): length 6.1
  Bottom w0.2: D28.2 73.33,48.66 v1(70.98,51)
Net-(D29-A): length 6.1
  Bottom w0.2: v1(89.97,51.01) 92.38,48.6 D29.2
Net-(D30-A): length 6.1
  Bottom w0.2: D30.2 111.42,48.56 v1(108.98,51.01)
Net-(D31-A): length 6.1
  Bottom w0.2: D31.2 130.48,48.5 v1(127.97,51.01)
Net-(D32-A): length 6.1
  Bottom w0.2: v1(146.98,51.01) 149.52,48.46 D32.2
Net-(D33-A): length 6.2
  Bottom w0.2: v1(165.97,51.01) 168.57,48.4 D33.2
Net-(D34-A): length 6.2
  Bottom w0.2: v1(184.97,51.01) 187.62,48.35 D34.2
Net-(D35-A): length 6.7
  Bottom w0.2: v1(203.97,51.01) 206.68,48.3 D35.2
Net-(D36-A): length 20
  Top w0.2: v1(208.98,44.61) 210.2,43.38 218.06,43.38 222.98,48.29 v1(222.98,51.01)
  Bottom w0.2: D36.2 v1(208.98,44.61)
Net-(D38-A): length 6
  Bottom w0.2: D38.2 32.97,29.23 v1(32.97,32.01)
Net-(D39-A): length 6
  Bottom w0.2: D39.2 54.28,27.58 52.02,29.83 v1(52.02,32.01)
Net-(D40-A): length 6.7
  Bottom w0.2: D40.2 72.58,30.51 v1(71.08,32.01)
Net-(D41-A): length 39.8
  Top w0.2: 75.48,25.19 76.28,24.39 85.73,24.39 87.17,25.82 87.17,28.94 90.13,31.91 100.46,31.91 101.79,30.59
  Bottom w0.2: v1(100.65,24.39) 100.65,27.9 101.79,29.04 v1(101.79,30.69) ; 74.88,25.89 v1(75.48,25.29)
  vias: v1(89.98,32.01)
Net-(D42-A): length 43.6
  Top w0.2: 107.2,21.75 96.2,21.75 94.16,23.79 79.5,23.79
  Bottom w0.2: v1(107,21.85) 109.71,24.56 109.71,31.46 v1(109.17,32.01) ; D42.2 77.78,25.98 79.66,24.1 v1(79.66,23.79)
Net-(D43-A): length 29.9
  Top w0.2: v1(149.03,25.07) 148.25,24.29 139.56,24.29 137.71,22.44 132.25,22.44 128.76,25.92 128.76,31.36 128.22,31.91
  Bottom w0.2: D43.2 v1(149.02,25.07)
  vias: v1(128.22,32.01) v1(139.56,24.39)
